# Allegro board BRD_05101_01_rev_b01_aa.brd (continued)
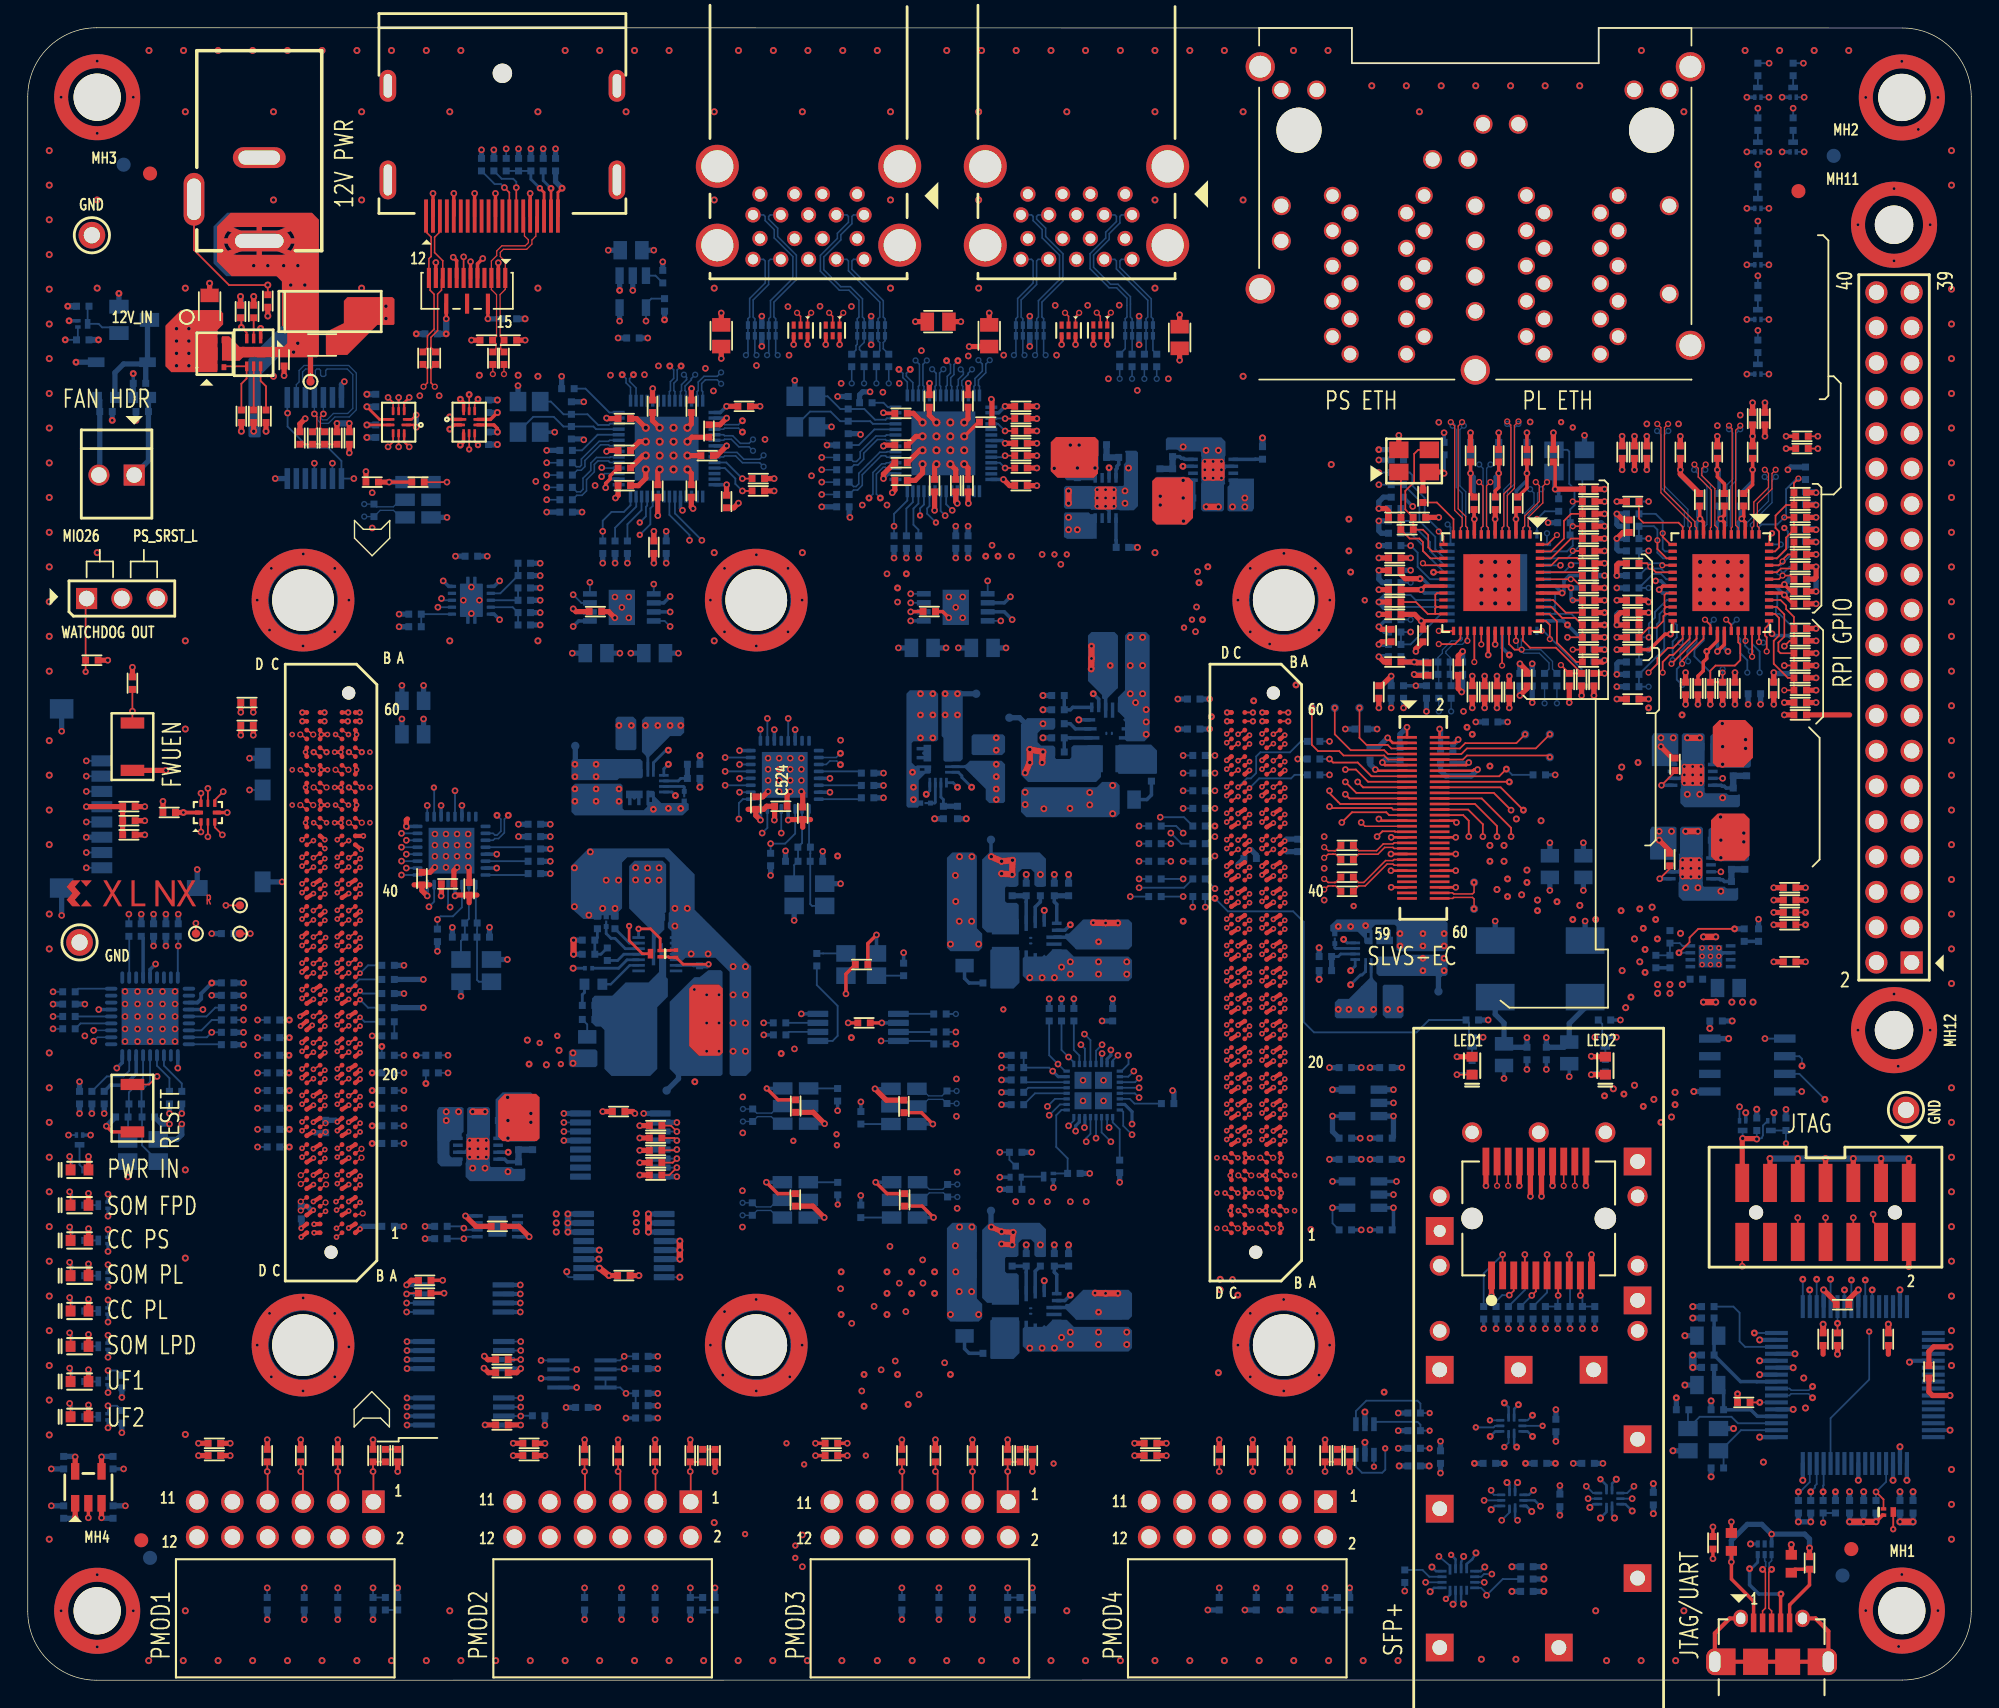
[diagram p0: board, top side]
## Footprints (pads in the part's own frame, mm; a bottom-side part is the same pattern mirrored in y, then rotated) (continued)
  rect 0.4x0.55 smd: 3(0,-0.385) 8(0,0.385)
DRY_6_SON
  rect 0.3x0.52 smd: 1(-0.5,-0.385) 2(0,-0.385) 3(0.5,-0.385) 4(0.5,0.385) 5(0,0.385) 6(-0.5,0.385)
HDR_1X2_LOCK_MOLEX
  rect 1.524x1.524 hole 1.118: 1(0,0)
  round 1.524 hole 1.118: 2(2.54,0)
HDR_1X3
  rect 1.524x1.524 hole 1.118: 1(0,0)
  round 1.524 hole 1.118: 2(2.54,0) 3(5.08,0)
HDR_2X20
  rect 1.6x1.6 hole 1.092: 1(0,0)
  round 1.6 hole 1.092: 2(0,2.54) 3(2.54,0) 4(2.54,2.54) 5(5.08,0) 6(5.08,2.54) 7(7.62,0) 8(7.62,2.54) 9(10.16,0) 10(10.16,2.54) 11(12.7,0) 12(12.7,2.54) 13(15.24,0) 14(15.24,2.54) 15(17.78,0) 16(17.78,2.54) 17(20.32,0) 18(20.32,2.54) 19(22.86,0) 20(22.86,2.54) 21(25.4,0) 22(25.4,2.54) 23(27.94,0) 24(27.94,2.54) 25(30.48,0) 26(30.48,2.54) 27(33.02,0) 28(33.02,2.54) 29(35.56,0) 30(35.56,2.54) 31(38.1,0) 32(38.1,2.54) 33(40.64,0) 34(40.64,2.54) 35(43.18,0) 36(43.18,2.54) 37(45.72,0) 38(45.72,2.54) 39(48.26,0) 40(48.26,2.54)
HDR_F2X6_PMOD
  rect 1.626x1.626 hole 1.118: 1(6.35,2.54)
  round 1.626 hole 1.118: 2(6.35,0) 3(3.81,2.54) 4(3.81,0) 5(1.27,2.54) 6(1.27,0) 7(-1.27,2.54) 8(-1.27,0) 9(-3.81,2.54) 10(-3.81,0) 11(-6.35,2.54) 12(-6.35,0)
IND_COIL_XEL5030
  rect 1.18x4.7 smd: 1(-1.655,0) 2(1.655,0)
IND_IHLP2020BZ_ER
  rect 1.915x2.79 smd: 1(-2.037,0) 2(2.037,0)
INDC160X80X95
  rect 0.71x0.81 smd: 1(-0.645,0) 2(0.645,0)
INDC200X125X110
  rect 0.98x1.32 smd: 1(-0.78,0) 2(0.78,0)
LED_0603
  rect 0.71x0.81 smd: 1(-0.645,0) 2(0.645,0)
LQFP_64
  rect 1.65x0.3 smd: 1(-5.65,3.75) 2(-5.65,3.25) 3(-5.65,2.75) 4(-5.65,2.25) 5(-5.65,1.75) 6(-5.65,1.25) 7(-5.65,0.75) 8(-5.65,0.25) 9(-5.65,-0.25) 10(-5.65,-0.75) 11(-5.65,-1.25) 12(-5.65,-1.75) 13(-5.65,-2.25) 14(-5.65,-2.75) 15(-5.65,-3.25) 16(-5.65,-3.75) 33(5.65,-3.75) 34(5.65,-3.25) 35(5.65,-2.75) 36(5.65,-2.25) 37(5.65,-1.75) 38(5.65,-1.25) 39(5.65,-0.75) 40(5.65,-0.25) 41(5.65,0.25) 42(5.65,0.75) 43(5.65,1.25) 44(5.65,1.75) 45(5.65,2.25) 46(5.65,2.75) 47(5.65,3.25) 48(5.65,3.75)
  rect 0.3x1.65 smd: 17(-3.75,-5.65) 18(-3.25,-5.65) 19(-2.75,-5.65) 20(-2.25,-5.65) 21(-1.75,-5.65) 22(-1.25,-5.65) 23(-0.75,-5.65) 24(-0.25,-5.65) 25(0.25,-5.65) 26(0.75,-5.65) 27(1.25,-5.65) 28(1.75,-5.65) 29(2.25,-5.65) 30(2.75,-5.65) 31(3.25,-5.65) 32(3.75,-5.65) 49(3.75,5.65) 50(3.25,5.65) 51(2.75,5.65) 52(2.25,5.65) 53(1.75,5.65) 54(1.25,5.65) 55(0.75,5.65) 56(0.25,5.65) 57(-0.25,5.65) 58(-0.75,5.65) 59(-1.25,5.65) 60(-1.75,5.65) 61(-2.25,5.65) 62(-2.75,5.65) 63(-3.25,5.65) 64(-3.75,5.65)
MH_NP_C275
  round 2.769 hole 2.769 unplated: (0,0)
  round 0.43 smd: 1(0.3,-2.6)
MH_NP_M3_SO_600
  round 3.4 hole 3.404 unplated: (0,0)
  round 0.43 smd: 1(0.3,-2.6)
MSOP8E65P490X110
  rect 1x0.4 smd: 1(-2.3,0.975) 2(-2.3,0.325) 3(-2.3,-0.325) 4(-2.3,-0.975) 5(2.3,-0.975) 6(2.3,-0.325) 7(2.3,0.325) 8(2.3,0.975)
  rect 1.9x2.54 smd: 9(0,0)
OSC_330X260X120_4_RAL
  rect 1.4x1.2 smd: 1(-1.1,-0.8) 2(1.1,-0.8) 3(1.1,0.8) 4(-1.1,0.8)
OSC_RAL_500X320X154
  rect 0.89x1.41 smd: 1(-1.27,-0.935) 2(0,-0.935) 3(1.27,-0.935) 4(1.27,0.935) 5(0,0.935) 6(-1.27,0.935)
PQFN10_MP5016HGQH
  custom 0.9x0.75 smd: 1-2(-0.4,0) 6-7(0.4,0)
  rect 0.25x0.7 smd: 3(-0.5,-0.975) 4(0,-0.975) 5(0.5,-0.975) 8(0.5,1.025) 9(0,1.025) 10(-0.5,1.025)
PQFN20_MPS_MPM3840GQV
  rrect 0.8x0.25 smd: 1(-1.4,1.55)
  rect 0.9x0.25 smd: 2(-1.35,0.9) 11(1.35,0.9)
  rect 1.1x0.25 smd: 3(-1.25,0.25) 10(1.25,0.25)
  custom 1.1x1.95 smd: 4-6(-1,-1.25) 7-9(1,-1.25)
  rect 0.8x0.25 smd: 12(1.4,1.55)
  rect 0.25x0.7 smd: 13(1.25,2.45) 14(0.75,2.45) 17(-0.75,2.45) 18(-1.25,2.45)
  rect 0.25x1.1 smd: 15(0.25,2.25) 16(-0.25,2.25)
  oval 0.15x0.25 smd: 19(0.2,0.575) 20(-0.2,0.575)
PQFN_65P210X2110X100-8
  rect 0.43x0.35 smd: 1(-0.965,0.65) 2(-0.965,0) 3(-0.965,-0.65) 4(0.965,-0.65) 5(0.965,0) 6(0.965,0.65)
  rrect 1.2x1 smd: 7(0,0.305)
  rect 0.912x0.357 smd: 8(0.005,-0.785)
QFN05P500X500X100_32P_330EP
  rrect 0.72x0.26 smd: 1(-2.451,1.75) 2(-2.451,1.25) 3(-2.451,0.75) 4(-2.451,0.25) 5(-2.451,-0.25) 6(-2.451,-0.75) 7(-2.451,-1.25) 8(-2.451,-1.75) 17(2.451,-1.75) 18(2.451,-1.25) 19(2.451,-0.75) 20(2.451,-0.25) 21(2.451,0.25) 22(2.451,0.75) 23(2.451,1.25) 24(2.451,1.75)
  rrect 0.26x0.72 smd: 9(-1.75,-2.451) 10(-1.25,-2.451) 11(-0.75,-2.451) 12(-0.25,-2.451) 13(0.25,-2.451) 14(0.75,-2.451) 15(1.25,-2.451) 16(1.75,-2.451) 25(1.75,2.451) 26(1.25,2.451) 27(0.75,2.451) 28(0.25,2.451) 29(-0.25,2.451) 30(-0.75,2.451) 31(-1.25,2.451) 32(-1.75,2.451)
  rect 3.3x3.3 smd: 33(0,0)
QFN05P600X600X85-36_410
  oval 0.9x0.28 smd: 1(-2.8,2) 2(-2.8,1.5) 3(-2.8,1) 4(-2.8,0.5) 5(-2.8,0) 6(-2.8,-0.5) 7(-2.8,-1) 8(-2.8,-1.5) 9(-2.8,-2) 19(2.8,-2) 20(2.8,-1.5) 21(2.8,-1) 22(2.8,-0.5) 23(2.8,0) 24(2.8,0.5) 25(2.8,1) 26(2.8,1.5) 27(2.8,2)
  oval 0.28x0.9 smd: 10(-2,-2.8) 11(-1.5,-2.8) 12(-1,-2.8) 13(-0.5,-2.8) 14(0,-2.8) 15(0.5,-2.8) 16(1,-2.8) 17(1.5,-2.8) 18(2,-2.8) 28(2,2.8) 29(1.5,2.8) 30(1,2.8) 31(0.5,2.8) 32(0,2.8) 33(-0.5,2.8) 34(-1,2.8) 35(-1.5,2.8) 36(-2,2.8)
  rect 4.1x4.1 smd: 37(0,0)
QFN12_MPM3805A
  rrect 1.05x0.2 smd: 1(-1.025,0.7)
  rect 1.05x0.2 smd: 2(-1.025,0.3) 7(1.025,0.3) 8(1.025,0.7)
  custom 1.05x1.2 smd: 3-4(-1.025,-0.675) 5-6(1.025,-0.675)
  rect 0.2x0.7 smd: 9(0.6,1.45) 10(0.2,1.45) 11(-0.2,1.45) 12(-0.6,1.45)
QFN40P140X180X55-10
  rrect 0.7x0.2 smd: 1(-0.55,0.2)
  rrect 0.6x0.2 smd: 2(-0.6,-0.2) 6(0.6,-0.2) 7(0.6,0.2)
  rrect 0.2x0.6 smd: 3(-0.4,-0.8) 4(0,-0.8) 5(0.4,-0.8) 8(0.4,0.8) 9(0,0.8) 10(-0.4,0.8)
QFN40P300X300X100-16_MP8772
  rect 0.9x0.2 smd: 1(-1.35,1.2) 2(-1.35,0.8) 3(-1.35,0.4) 4(-1.35,0) 5(-1.35,-0.4) 6(-1.35,-0.8) 7(-1.35,-1.2) 9(1.35,-1.2) 10(1.35,-0.8) 11(1.35,-0.4) 12(1.35,0) 13(1.35,0.4) 14(1.35,0.8) 15(1.35,1.2)
  rect 0.25x2.6 smd: 8(-0.275,-0.5) 16(0.275,0.5)
QFN_MP8904DD_8
  rect 0.7x0.25 smd: 1(-1.45,0.75) 2(-1.45,0.25) 3(-1.45,-0.25) 4(-1.45,-0.75) 5(1.45,-0.75) 6(1.45,-0.25) 7(1.45,0.25) 8(1.45,0.75)
  rect 1.7x1.6 smd: 9(0,0)
QFN_RSV_16
  rect 0.75x0.2 smd: 1(-0.725,0.6)
  rect 0.65x0.2 smd: 2(-0.775,0.2) 3(-0.775,-0.2) 4(-0.775,-0.6) 9(0.775,-0.6) 10(0.775,-0.2) 11(0.775,0.2) 12(0.775,0.6)
  rect 0.2x0.65 smd: 5(-0.6,-1.175) 6(-0.2,-1.175) 7(0.2,-1.175) 8(0.6,-1.175) 13(0.6,1.175) 14(0.2,1.175) 15(-0.2,1.175) 16(-0.6,1.175)
RESC60X30X26
  rect 0.275x0.33 smd: 1(-0.262,0) 2(0.262,0)
RESC100X50X40
  rect 0.5x0.51 smd: 1(-0.45,0) 2(0.45,0)
RESC160X80X65
  rect 0.71x0.81 smd: 1(-0.645,0) 2(0.645,0)
RESC200X125X75
  rect 0.98x1.32 smd: 1(-0.78,0) 2(0.78,0)
SC70_6
  rect 1x0.4 smd: 1(-1.1,0.65) 2(-1.1,0) 3(-1.1,-0.65) 4(1.1,-0.65) 5(1.1,0) 6(1.1,0.65)
SOD_123
  rect 1.2x0.7 smd: 1(-1.85,0) 2(1.85,0)
SOIC8P127W390
  rect 1.55x0.6 smd: 1(-2.7,1.905) 2(-2.7,0.635) 3(-2.7,-0.635) 4(-2.7,-1.905) 5(2.7,-1.905) 6(2.7,-0.635) 7(2.7,0.635) 8(2.7,1.905)
SON_15P
  rect 0.3x1.45 smd: 1(-2.75,-0.925) 2(-2.25,-0.925) 3(-1.75,-0.925) 4(-1.25,-0.925) 5(-0.75,-0.925) 6(-0.25,-0.925) 7(0.25,-0.925) 8(0.75,-0.925) 9(1.25,-0.925) 10(1.75,-0.925) 11(2.25,-0.925) 12(2.75,-0.925) 13(1.5,0.925) 14(0,0.925) 15(-1.5,0.925)
SOP65P640X120-16
  rrect 1.5x0.45 smd: 1(-2.875,2.275) 2(-2.875,1.625) 3(-2.875,0.975) 4(-2.875,0.325) 5(-2.875,-0.325) 6(-2.875,-0.975) 7(-2.875,-1.625) 8(-2.875,-2.275) 9(2.875,-2.275) 10(2.875,-1.625) 11(2.875,-0.975) 12(2.875,-0.325) 13(2.875,0.325) 14(2.875,0.975) 15(2.875,1.625) 16(2.875,2.275)
SOT95P280X145_5
  rect 0.6x1.2 smd: 1(-0.95,-1.15) 2(0,-1.15) 3(0.95,-1.15) 4(0.95,1.15) 5(-0.95,1.15)
SOT_23
  rect 1x1.4 smd: 1(-0.95,-1.1) 2(0.95,-1.1) 3(0,1.1)
SOT_723
  rect 0.37x0.5 smd: 1(-0.4,-0.4) 2(0.4,-0.4)
  rect 0.47x0.5 smd: 3(0,0.4)
STQFN04P400X400X60_32_270
  rect 0.46x0.23 smd: 1(-1.915,1.4) 2(-1.915,1) 3(-1.915,0.6) 4(-1.915,0.2) 5(-1.915,-0.2) 6(-1.915,-0.6) 7(-1.915,-1) 8(-1.915,-1.4) 17(1.915,-1.4) 18(1.915,-1) 19(1.915,-0.6) 20(1.915,-0.2) 21(1.915,0.2) 22(1.915,0.6) 23(1.915,1) 24(1.915,1.4)
  rect 0.23x0.46 smd: 9(-1.4,-1.915) 10(-1,-1.915) 11(-0.6,-1.915) 12(-0.2,-1.915) 13(0.2,-1.915) 14(0.6,-1.915) 15(1,-1.915) 16(1.4,-1.915) 25(1.4,1.915) 26(1,1.915) 27(0.6,1.915) 28(0.2,1.915) 29(-0.2,1.915) 30(-0.6,1.915) 31(-1,1.915) 32(-1.4,1.915)
  rect 1.225x1.225 smd: 33(-0.737,0.737) 34(0.737,0.737) 35(-0.737,-0.737) 36(0.737,-0.737)
SW_OMRON_2P
  rect 0.81x1.7 smd: 1(-1.706,0) 2(1.706,0)
TP_KEY_MINI
  round 1.93 hole 1.168: 1(0,0)
TP_PAD
  round 0.6 smd: 1(0,0)
TSSOP8_65P440X300MM
  rect 1.55x0.38 smd: 1(-2.875,0.975) 2(-2.875,0.325) 3(-2.875,-0.325) 4(-2.875,-0.975) 5(2.875,-0.975) 6(2.875,-0.325) 7(2.875,0.325) 8(2.875,0.975)
TSSOP8_65P450X310X120
  rrect 1.5x0.45 smd: 1(-2.9,0.975) 2(-2.9,0.325) 3(-2.9,-0.325) 4(-2.9,-0.975) 5(2.9,-0.975) 6(2.9,-0.325) 7(2.9,0.325) 8(2.9,0.975)
TSSOP065P620X120_16
  rrect 1.5x0.45 smd: 1(-2.9,2.275) 2(-2.9,1.625) 3(-2.9,0.975) 4(-2.9,0.325) 5(-2.9,-0.325) 6(-2.9,-0.975) 7(-2.9,-1.625) 8(-2.9,-2.275) 9(2.9,-2.275) 10(2.9,-1.625) 11(2.9,-0.975) 12(2.9,-0.325) 13(2.9,0.325) 14(2.9,0.975) 15(2.9,1.625) 16(2.9,2.275)
TSSOP_14
  rect 1.5x0.4 smd: 1(-2.92,1.95) 2(-2.92,1.3) 3(-2.92,0.65) 4(-2.92,0) 5(-2.92,-0.65) 6(-2.92,-1.3) 7(-2.92,-1.95) 8(2.92,-1.95) 9(2.92,-1.3) 10(2.92,-0.65) 11(2.92,0) 12(2.92,0.65) 13(2.92,1.3) 14(2.92,1.95)
UDFN05P200X300X55-8_150X130
  rect 1.5x1.3 smd: (0,0)
  rect 0.25x0.8 smd: 1(-0.75,-1.45) 2(-0.25,-1.45) 3(0.25,-1.45) 4(0.75,-1.45) 5(0.75,1.45) 6(0.25,1.45) 7(-0.25,1.45) 8(-0.75,1.45)
unnamed#2
  round 1.016 smd: (0,0)
UQFN_8
  rrect 0.55x0.25 smd: 1(-0.675,0.5) 3(-0.675,-0.5) 5(0.675,-0.5) 7(0.675,0.5)
  rrect 0.55x0.2 smd: 2(-0.675,0) 6(0.675,0)
  rrect 0.3x0.6 smd: 4(0,-0.65) 8(0,0.65)
VQFN05P700X700X100_48_408EP
  rect 0.6x0.24 smd: 1(-3.475,2.751) 2(-3.475,2.25) 3(-3.475,1.75) 4(-3.475,1.25) 5(-3.475,0.749) 6(-3.475,0.249) 7(-3.475,-0.249) 8(-3.475,-0.749) 9(-3.475,-1.25) 10(-3.475,-1.75) 11(-3.475,-2.25) 12(-3.475,-2.751) 25(3.475,-2.751) 26(3.475,-2.25) 27(3.475,-1.75) 28(3.475,-1.25) 29(3.475,-0.749) 30(3.475,-0.249) 31(3.475,0.249) 32(3.475,0.749) 33(3.475,1.25) 34(3.475,1.75) 35(3.475,2.25) 36(3.475,2.751)
  rect 0.24x0.6 smd: 13(-2.751,-3.475) 14(-2.25,-3.475) 15(-1.75,-3.475) 16(-1.25,-3.475) 17(-0.749,-3.475) 18(-0.249,-3.475) 19(0.249,-3.475) 20(0.749,-3.475) 21(1.25,-3.475) 22(1.75,-3.475) 23(2.25,-3.475) 24(2.751,-3.475) 37(2.751,3.475) 38(2.25,3.475) 39(1.75,3.475) 40(1.25,3.475) 41(0.749,3.475) 42(0.249,3.475) 43(-0.249,3.475) 44(-0.749,3.475) 45(-1.25,3.475) 46(-1.75,3.475) 47(-2.25,3.475) 48(-2.751,3.475)
  rect 4.1x4.1 smd: 49(0,0)
VQFN40P700X700X100-56_460EP
  rect 0.86x0.25 smd: 1(-3.45,2.6) 2(-3.45,2.2) 3(-3.45,1.8) 4(-3.45,1.4) 5(-3.45,1) 6(-3.45,0.6) 7(-3.45,0.2) 8(-3.45,-0.2) 9(-3.45,-0.6) 10(-3.45,-1) 11(-3.45,-1.4) 12(-3.45,-1.8) 13(-3.45,-2.2) 14(-3.45,-2.6) 29(3.45,-2.6) 30(3.45,-2.2) 31(3.45,-1.8) 32(3.45,-1.4) 33(3.45,-1) 34(3.45,-0.6) 35(3.45,-0.2) 36(3.45,0.2) 37(3.45,0.6) 38(3.45,1) 39(3.45,1.4) 40(3.45,1.8) 41(3.45,2.2) 42(3.45,2.6)
  rect 0.25x0.86 smd: 15(-2.6,-3.45) 16(-2.2,-3.45) 17(-1.8,-3.45) 18(-1.4,-3.45) 19(-1,-3.45) 20(-0.6,-3.45) 21(-0.2,-3.45) 22(0.2,-3.45) 23(0.6,-3.45) 24(1,-3.45) 25(1.4,-3.45) 26(1.8,-3.45) 27(2.2,-3.45) 28(2.6,-3.45) 43(2.6,3.45) 44(2.2,3.45) 45(1.8,3.45) 46(1.4,3.45) 47(1,3.45) 48(0.6,3.45) 49(0.2,3.45) 50(-0.2,3.45) 51(-0.6,3.45) 52(-1,3.45) 53(-1.4,3.45) 54(-1.8,3.45) 55(-2.2,3.45) 56(-2.6,3.45)
  rect 4.6x4.6 smd: 57(0,0)
VSON-CLIP11_3X3MM
  rrect 0.6x0.24 smd: 1(-1.4,1) 2(-1.4,0.5) 3(-1.4,0) 4(-1.4,-0.5) 5(-1.4,-1) 6(1.4,-1) 7(1.4,-0.5) 8(1.4,0) 9(1.4,0.5) 10(1.4,1)
  custom 1.65x3.4 smd: 11(0,0)
XTAL_320X250X71
  rect 1.4x1.1 smd: 1(-1.1,-0.8) 2(1.1,-0.8) 3(1.1,0.8) 4(-1.1,0.8)
XTAL_EPSON_FA238
  rect 1.4x1.2 smd: 1(-1.1,-0.8) 2(1.1,-0.8) 3(1.1,0.8) 4(-1.1,0.8)

## Nets
5V0_IN: C3.1 C4.1 C6.1 C10.1 C11.1 C20.1 C26.1 C32.1 C33.1 C34.1 C35.1 C39.1 C43.1 C75.1 C273.1 C311.1 C312.1 C313.1 C314.1 C317.1 C318.1 C381.1 C382.1 C428.1 C532.1 L1.2 R4.1 R7.1 R12.1 R28.1 R30.1 R209.1 R289.1 R329.1 R430.1 TP5.1(TP) U1.15(VIN) U2.15(VIN) U3.7(VIN) U4.7(VIN) U5.7(VIN) U7.5 U7.8 U14.1 U14.2 U14.3 U14.12 U19.15(VDD2) U19.31 U37.21 U45.2 U47.2 U72.15(VIN) U73.5 U83.21
5V0_IN_EN: R34.2 U6.3
5V0_IN_FB: R32.1 U6.4
5V0_IN_SS: C40.1 U6.6
5V0_IN_SW: C37.2 C319.1 L1.1 U6.16
5V0_IN_VCC: C38.1 Q21.1 R265.1 U6.14
12V_FAN_GND: C209.1 J13.2(P2) L9.1
12V_FAN_PWR: C210.1 J13.1 L8.1
12V_IN: C30.1 C31.1 C36.1 C203.1 C208.1 D2.1(CATHODE) L8.2 Q5.1 Q5.2 Q5.5 Q5.6 Q5.7 R34.1 TP3.1(TP) U6.8(VIN)
12V_IN_JACK: C204.1 C205.1 D1.1(CATHODE) J12.1 R133.1 TP1.1(TP) U41.1-2(VCC)
12V_IN_SOURCE: Q5.4 Q5.8(SPAD) U41.6-7
AGND1: U6.5 Z1.2(NET2)
AGND2: U3.11 Z4.2(NET2)
AGND3: U5.11 Z5.2(NET2)
AGND4: U4.11 Z2.2(NET2)
GND: C1.2 C2.2 C3.2 C4.2 C6.2 C7.2 C8.2 C10.2 C11.2 C12.2 C15.2 C16.2 C17.2 C18.2 C19.2 C20.2 C22.2 C23.2 C24.2 C25.2 C26.2 C28.2 C29.2 C30.2 C31.2 C32.2 C33.2 C34.2 C35.2 C36.2 C38.2 C40.2 C42.2 C43.2 C45.2 C48.2 C49.2 C50.2 C51.2 C52.2 C53.2 C64.2 C73.2 C74.2 C75.2 C78.2 C79.2 C80.2 C81.2 C82.2 C83.2 C84.2 C85.2 C86.2 C87.2 C89.2 C90.2 C91.2 C92.2 C93.2 C94.2 C95.2 C96.2 C97.2 C98.2 C99.2 C100.2 C101.2 C102.2 C103.2 C104.2 C105.2 C108.2 C109.2 C110.2 C114.2 C115.2 C144.2 C145.2 C146.2 C147.2 C148.2 C149.2 C150.2 C151.2 C152.2 C153.2 C154.2 C155.2 C156.2 C157.2 C158.2 C159.2 C160.2 C161.2 C162.2 C163.2 C164.2 C165.2 C166.2 C167.2 C175.2 C176.2 C203.2 C204.2 C205.2 C206.2 C207.2 C209.2 C210.2 C234.2 C235.2 C236.2 C237.2 C238.2 C265.2 C266.2 C269.2 C270.2 C272.2 C273.2 C274.2 C275.2 C276.2 C277.2 C278.1 C283.2 C284.2 C285.2 C286.2 C289.2 C290.2 C291.2 C292.2 C293.2 C294.2 C295.2 C296.2 C297.2 C298.2 C299.2 C300.2 C303.2 C304.2 C311.2 C312.2 C313.2 C314.2 C317.2 C318.2 C323.2 C324.2 C329.2 C344.2 C353.2 C354.2 C355.2 C356.2 C365.2 C366.2 C369.2 C370.2 C371.2 C372.2 C373.2 C374.2 C375.2 C376.2 C377.2 C378.2 C379.2 C380.2 C381.2 C382.2 C384.2 C385.2 C387.2 C388.2 C389.2 C390.2 C391.2 C392.2 C393.2 C394.2 C395.2 C396.2 C397.2 C398.2 C399.2 C400.2 C401.2 C402.2 C403.2 C404.2 C405.2 C406.2 C407.2 C408.2 C409.2 C410.2 C411.2 C412.2 C413.2 C414.2 C415.2 C416.2 C417.2 C418.2 C419.2 C420.2 C421.2 C422.2 C423.2 C424.2 C425.2 C426.2 C427.2 C428.2 C429.2 C430.2 C431.2 C432.2 C433.2 C434.2 C435.2 C436.2 C437.2 C439.2 C440.2 C441.2 C442.2 C443.2 C444.2 C445.2 C446.2 C447.2 C448.2 C449.2 C450.2 C451.2 C452.2 C453.2 C454.2 C455.2 C456.2 C457.2 C458.2 C459.2 C460.2 C461.2 C462.2 C463.2 C464.2 C465.2 C466.2 C467.2 C468.2 C469.2 C470.2 C471.2 C472.2 C473.2 C474.2 C475.2 C476.2 C477.2 C478.2 C479.2 C480.2 C481.2 C482.2 C483.2 C484.2 C485.2 C486.2 C487.2 C488.2 C489.2 C490.2 C491.2 C492.2 C493.2 C494.2 C495.2 C496.2 C497.2 C498.2 C499.2 C500.2 C501.2 C502.2 C503.2 C504.2 C505.2 C506.2 C507.2 C508.2 C509.2 C510.2 C513.2 C514.2 C515.2 C516.2 C517.2 C518.2 C519.2 C520.2 C521.2 C522.2 C523.2 C524.2 C525.2 C526.2 C527.2 C528.2 C529.2 C530.2 C531.2 C532.2 C533.1 C538.2 C539.2 C540.2 C541.2 C542.2 C543.2 C548.2 C553.2 C554.2 C555.2 C556.2 C557.2 C558.2 C559.2 C560.2 C561.2 C562.2 C563.2 C564.2 C565.2 C566.2 C567.2 C568.2 C569.2 C570.2 C571.2 C572.2 C573.2 C574.2 C575.2 C576.2 C577.2 C578.2 C581.2 C582.2 C583.2 C584.2 C585.2 C586.2 C587.2 C588.2 C589.2 C590.2 C591.2 C592.2 D1.2 J2.9(P9) J2.10 J3.1 J3.3 J3.5 J3.7 J3.9(P9) J3.11 J4.6 J4.7 J4.8 J4.9 J4.10 J4.11 J6.2 J6.5 J6.8 J6.11 J6.16 J6.21 J6.22 J6.23 J6.24(SHLD#24) J10.A10 J10.B10 J10.C10 J10.D10 J10.SH1 J10.SH2 J10.SH3 J10.SH4 J10.SH5(SHIELD_5) J11.6(VSS) J11.9 J11.10 J11.11 J11.12 J11.14 J12.2 J15.1(P1) J16.1(P1) J17.1(P1) J18.9(P9) J18.10 J19.9(P9) J19.10 J20.9(P9) J20.10 J21.6 J21.9(P9) J21.14 J21.20 J21.25 J21.30 J21.34 J21.39 J22.11 J22.12 J22.13 J22.14 J22.31 J22.32 J22.37 J22.38 J22.43 J22.44 J22.49 J22.50 J22.55 J22.56 J23.1 J23.10 J23.11 J23.14 J23.17 J23.20(VEET_3) J24.1 J24.2 J24.3 J24.4 J24.5 J24.6 J24.7 J24.8 J24.9(GND9) J24.10 J24.11 J24.12 J24.13 J24.14 J24.15 J24.16 J24.17 J24.18 J24.19 J24.20 JA1.A2 JA1.A5 JA1.A8 JA1.A11 JA1.A14 JA1.A18 JA1.A21 JA1.A26 JA1.A33 JA1.A37 JA1.A41 JA1.A45 JA1.A46 JA1.A49 JA1.A50 JA1.A53 JA1.A54 JA1.A57 JA1.A58 JA1.B3 JA1.B6 JA1.B9 JA1.B12 JA1.B15 JA1.B19 JA1.B23 JA1.B27 JA1.B31 JA1.B35 JA1.B39 JA1.B43 JA1.B47 JA1.B48 JA1.B51 JA1.B52 JA1.B55 JA1.B56 JA1.B59 JA1.C1 JA1.C2 JA1.C5 JA1.C8 JA1.C11 JA1.C14 JA1.C17 JA1.C21 JA1.C25 JA1.C29 JA1.C33 JA1.C37 JA1.C41 JA1.C46 JA1.C49 JA1.C50 JA1.C53 JA1.C54 JA1.C57 JA1.C58 JA1.D3 JA1.D6 JA1.D9 JA1.D12 JA1.D15 JA1.D19 JA1.D23 JA1.D27 JA1.D31 JA1.D35 JA1.D39 JA1.D43 JA1.D47 JA1.D48 JA1.D51 JA1.D52 JA1.D55 JA1.D56 JA1.D59 JA2.A1 JA2.A2 JA2.A5 JA2.A6 JA2.A9 JA2.A10 JA2.A13 JA2.A16 JA2.A19 JA2.A22 JA2.A25 JA2.A28 JA2.A31 JA2.A34 JA2.A37 JA2.A40 JA2.A43 JA2.A45 JA2.A49 JA2.A53 JA2.A57 JA2.B3 JA2.B4 JA2.B7 JA2.B8 JA2.B11 JA2.B14 JA2.B17 JA2.B20 JA2.B23 JA2.B26 JA2.B29 JA2.B32 JA2.B35 JA2.B38 JA2.B41 JA2.B43 JA2.B47 JA2.B51 JA2.B55 JA2.C1 JA2.C2 JA2.C5 JA2.C6 JA2.C9 JA2.C10 JA2.C13 JA2.C16 JA2.C19 JA2.C22 JA2.C25 JA2.C28 JA2.C31 JA2.C34 JA2.C37 JA2.C40 JA2.C43 JA2.C45 JA2.C49 JA2.C53 JA2.C57 JA2.D3 JA2.D4 JA2.D7 JA2.D8 JA2.D11 JA2.D14 JA2.D17 JA2.D20 JA2.D23 JA2.D26 JA2.D29 JA2.D32 JA2.D35 JA2.D38 JA2.D41 JA2.D43 JA2.D47 JA2.D51 JA2.D55 L5.1 MH1.1 MH2.1 MH3.1 MH4.1 MH5.1(GND) MH6.1(GND) MH7.1(GND) MH8.1(GND) MH9.1(GND) MH10.1(GND) MH11.1 MH12.1 Q3.2(SOURCE) Q4.2(SOURCE) Q6.2(SOURCE) Q7.2(SOURCE) Q8.2(SOURCE) Q9.2(SOURCE) Q10.2(SOURCE) Q12.2(SOURCE) Q13.2(SOURCE) Q17.2(SOURCE) Q18.2(SOURCE) Q19.2(SOURCE) Q20.2(SOURCE) Q22.2(SOURCE) Q23.2(SOURCE) Q25.2(SOURCE) Q26.2(SOURCE) Q27.2(SOURCE) Q28.2(SOURCE) Q29.2(SOURCE) Q30.2(SOURCE) Q31.2(SOURCE) Q32.2(SOURCE) Q34.2(SOURCE) R2.2 R5.2 R15.2 R16.2 R17.2 R20.2 R23.2 R26.2 R29.2 R31.2 R38.2 R41.2 R42.2 R43.2 R44.2 R50.2 R51.2 R79.1 R116.2 R117.2 R118.2 R119.2 R120.2 R121.2 R122.2 R126.2 R134.2 R135.2 R162.2 R163.2 R164.2 R165.2 R167.2 R171.2 R174.2 R200.2 R202.2 R203.2 R206.2 R213.2 R219.2 R221.2 R222.2 R223.2 R224.2 R225.2 R241.2 R261.2 R262.2 R263.2 R291.2 R292.2 R293.2 R328.2 R332.2 R343.1 R344.1 R349.2 R364.2 R365.2 R366.2 R367.2 R368.2 R369.2 R372.2 R377.2 R389.2 R390.2 R391.2 R392.2 R393.2 R394.2 R396.2 R402.2 R417.2 R418.2 R419.2 R420.2 R421.2 R422.2 R423.2 R424.2 R427.2 R428.2 R432.2 R438.2 R439.2 R440.2 R441.2 R458.2 R462.2 R465.2 R473.2 R474.2 R475.2 R476.2 R487.2 R489.2 SW1.1 SW2.1 U1.1 U1.2 U1.3 U1.17 U1.18 U2.1 U2.2 U2.3 U2.17 U2.18 U3.1 U3.2 U4.1 U4.2 U5.1 U5.2 U6.9 U6.10 U6.11 U6.12 U6.13 U7.6 U7.9 U8.6 U8.9 U9.6 U9.9 U10.6 U10.9 U11.6 U11.9 U12.6 U12.9 U13.5 U13.11 U14.4 U14.5 U14.6 U14.11 U15.2 U15.3 U15.4 U16.1 U18.1 U18.2 U18.8 U19.14 U19.30 U19.33 U19.34 U19.35 U19.36 U22.5 U22.10 U22.11 U22.16 U23.2 U24.1 U24.5 U24.10 U24.11 U24.13 U24.15 U24.25 U24.35 U24.47 U24.51 U25.1 U25.3 U26.5(VSS) U28.1 U28.2 U28.3 U29.7 U30.1 U30.2 U30.3 U33.2 U36.49 U37.23 U37.33 U38.28 U38.37 U41.3 U42.2 U43.57 U44.4 U44.7 U44.13 U44.16 U44.19 U44.20 U44.21 U44.22 U45.1 U45.9 U46.4 U46.7 U46.13 U46.16 U46.19 U46.20 U46.21 U46.22 U47.1 U47.9 U61.2 U61.5 U61.8 U61.11 U64.1 U64.2 U64.3 U66.3 U66.8 U67.3 U67.8 U68.3 U68.8 U69.3 U69.8 U71.3 U72.1 U72.2 U72.3 U72.17 U72.18 U73.2 U74.2 U75.4 U76.2 U76.3 U76.4 U79.49 U80.49 U81.49 U82.4 U83.23 U83.33 U84.57 U85.1 U85.3 U85.4 U86.3 U87.3 U88.3 U89.3 U90.3 U91.4 U92.2 X1.4 X2.2 X2.4 X5.4 X6.4 X7.4 X8.4 X9.2 X9.4 X10.2 X10.4 X11.2 X11.4 X12.2 X12.4 X13.2 X13.4 X14.2 X14.4 X15.2 X15.4 Z1.1 Z2.1 Z4.1 Z5.1
VCC_BATT: JA1.A1 R44.1
VCCOEN_PL_M2C: JA1.A20 U2.12 U4.9 U72.12
VCCOEN_PS_M2C: JA1.A19 U1.12 U3.9 U5.9
VCCR_SFP: C432.1 C433.1 J23.15 L10.2
VCCT_SFP: C434.1 C435.1 J23.16 L11.2
CC_PL_PGOOD: Q10.1 R28.2 U2.14 U4.8 U8.3(PG) U9.3(PG) U19.25 U72.14
CC_PS_PGOOD: Q8.1 R7.2 U1.14 U3.8 U5.8 U10.3(PG) U12.3(PG) U19.24
CC_PS_POR_B: R452.1 SW2.2(SW2)
CC_PS_POR_B_R: C548.1 R452.2 U19.23
D_CLK_0_N: J22.60 TP48.1(TP)
D_CLK_0_P: J22.58 TP47.1(TP)
DP_3V3: C266.1 C365.1 J6.20 U33.1(OUT) U61.6
DP_AUX_C_N: C112.2 J6.17 R205.2 U61.1
DP_AUX_C_P: C111.2 J6.15 R206.1 U61.3
DP_AUX_N: C112.1 R173.2 U29.9 U29.11
DP_AUX_P: C111.1 R172.2 U29.10 U29.12
DP_HPD_R: C366.1 J6.18 R174.1 R352.2 U61.7
DP_LN0_C_N: C118.2 J6.3 U61.10
DP_LN0_C_P: C117.2 J6.1 U61.12
DP_PWR_EN: R196.2 U33.4
DP_PWR_FAULT_B: R195.2 U33.3
EEPROM_WC_B: Q19.3 R256.1 U15.7(WC_B)
FB_UTIL_3V3: C41.2 R38.1 R39.2 U7.4
FTDI_3V3_FB: C44.2 R36.2 R41.1 U11.4
FTDI_3V3_PG: R40.2 U11.3(PG)
FTDI_EEPROM_WC: Q19.1 R262.1 U24.52
FTDI_LS_OE_B: Q13.1 R235.2 U24.22
FTDI_PS_POR_B: U24.23 U71.8
FTDI_PS_POR_B_LS: R266.2 U23.1 U71.5
FTDI_PS_SRST_B: U24.24 U71.9
FTDI_PS_SRST_B_LS: R267.2 U23.3 U71.4
FTDI_PWREN_B: R268.2 U24.60 U71.2
FTDI_TCK: U22.6 U24.16
FTDI_TDI: U22.7 U24.17
FTDI_TDO: U24.18 U25.9
FTDI_TMS: U24.19 U25.8
FTDI_UARTB_RXD: U24.27 U64.9
FTDI_UARTB_TXD: U24.26 U64.8
FWUEN_C2M_B: C236.1 JA1.C28 SW1.2(SW2)
GEM0_13_NC: U81.13
GEM0_48_NC: U81.48
GEM0_GPIO0: R406.2 R418.1 U81.39
GEM0_GPIO1: R405.2 R417.1 U81.40
GEM0_INT_PWDN: R404.2 U81.44
GEM0_JTAG: R414.2 U81.20 U81.22 U81.23
GEM0_LED0: Q32.1 R409.2 R421.1 U81.47
GEM0_LED0_CA: J10.D13 R425.2
GEM0_LED1: Q31.1 R408.2 R420.1 U81.46
GEM0_LED1_CA: J10.D12 R413.2
GEM0_LED2: R407.2 R419.1 U81.45
GEM0_RBIAS: R427.1 U81.12
GEM0_RX_CTRL: R410.2 R423.1 U81.38
GEM0_SGMII_CO_N_NC: U81.34
GEM0_SGMII_CO_P_NC: U81.33
GEM0_SGMII_SI_N: C550.2 U81.28
GEM0_SGMII_SI_P: C549.2 U81.27
GEM0_SGMII_SO_N: C551.2 R411.2 R424.1 U81.36
GEM0_SGMII_SO_P: C552.2 R412.2 R422.1 U81.35
GEM0_TD_A_N: J10.D1 U81.2
GEM0_TD_A_P: J10.D2 U81.1
GEM0_TD_B_N: J10.D3 U81.5
GEM0_TD_B_P: J10.D4 U81.4
GEM0_TD_C_N: J10.D5 U81.8
GEM0_TD_C_P: J10.D6 U81.7
GEM0_TD_D_N: J10.D7 U81.11
GEM0_TD_D_P: J10.D8 U81.10
GEM0_TX_D2_D3: R458.1 U81.25 U81.26
GEM0_XI: C554.1 R460.2 U81.15 X9.1
GEM0_XO: C553.1 R460.1 U81.14(XO) X9.3(X2)
GEM1_13_NC: U36.13
GEM1_48_NC: U36.48
GEM1_GPIO0: R105.2 R117.1 U36.39
GEM1_GPIO1: R104.2 R116.1 U36.40
GEM1_INT_PWDN: R102.2 U36.44
GEM1_JTAG: R113.2 U36.20 U36.22 U36.23
GEM1_LED0: Q4.1 R108.2 R120.1 U36.47
GEM1_LED0_CA: J10.C13 R127.2
GEM1_LED1: Q3.1 R107.2 R119.1 U36.46
GEM1_LED1_CA: J10.C12 R124.2
GEM1_LED2: R106.2 R118.1 U36.45
GEM1_RBIAS: R126.1 U36.12
GEM1_TD_A_N: J10.C1 U36.2
GEM1_TD_A_P: J10.C2 U36.1
GEM1_TD_B_N: J10.C3 U36.5
GEM1_TD_B_P: J10.C4 U36.4
GEM1_TD_C_N: J10.C5 U36.8
GEM1_TD_C_P: J10.C6 U36.7
GEM1_TD_D_N: J10.C7 U36.11
GEM1_TD_D_P: J10.C8 U36.10
GEM1_XI: C556.1 R461.2 U36.15 X10.1
GEM1_XO: C555.1 R461.1 U36.14(XO) X10.3(X2)
GEM2_13_NC: U79.13
GEM2_48_NC: U79.48
GEM2_GPIO0: R356.2 R365.1 U79.39
GEM2_GPIO1: R355.2 R364.1 U79.40
GEM2_INT_PWDN: R354.2 U79.44
GEM2_JTAG: R373.2 U79.20 U79.22 U79.23
GEM2_LED0_CA: J10.B13 R371.2
GEM2_LED1_CA: J10.B12 R363.2
GEM2_RBIAS: R377.1 U79.12
GEM2_TD_A_N: J10.B1 U79.2
GEM2_TD_A_P: J10.B2 U79.1
GEM2_TD_B_N: J10.B3 U79.5
GEM2_TD_B_P: J10.B4 U79.4
GEM2_TD_C_N: J10.B5 U79.8
GEM2_TD_C_P: J10.B6 U79.7
GEM2_TD_D_N: J10.B7 U79.11
GEM2_TD_D_P: J10.B8 U79.10
GEM2_XTAL_IN: R478.2 U79.15
GEM2_XTAL_IN_R: R478.1 U91.8
GEM3_13_NC: U80.13
GEM3_48_NC: U80.48
GEM3_GPIO0: R381.2 R390.1 U80.39
GEM3_GPIO1: R380.2 R389.1 U80.40
GEM3_INT_PWDN: R379.2 U80.44
GEM3_JTAG: R397.2 U80.20 U80.22 U80.23
GEM3_LED0_CA: J10.A13 R400.2
GEM3_LED1_CA: J10.A12 R388.2
GEM3_RBIAS: R402.1 U80.12
GEM3_TD_A_N: J10.A1 U80.2
GEM3_TD_A_P: J10.A2 U80.1
GEM3_TD_B_N: J10.A3 U80.5
GEM3_TD_B_P: J10.A4 U80.4
GEM3_TD_C_N: J10.A5 U80.8
GEM3_TD_C_P: J10.A6 U80.7
GEM3_TD_D_N: J10.A7 U80.11
GEM3_TD_D_P: J10.A8 U80.10
GEM3_XTAL_IN: R480.2 U80.15
GEM3_XTAL_IN_R: R480.1 U91.7(Y3)
GTH_DP0_C2M_C_N: C547.2 J22.41
GTH_DP0_C2M_C_P: C546.2 J22.39
GTH_DP0_C2M_N: C547.1 JA2.B10
GTH_DP0_C2M_P: C546.1 JA2.B9
GTH_DP0_M2C_N_NC: JA2.D10
GTH_DP0_M2C_P_NC: JA2.D9
GTH_DP1_C2M_C_N: C545.1 J22.47
GTH_DP1_C2M_C_P: C544.1 J22.45
GTH_DP1_C2M_N: C545.2 JA2.D2
GTH_DP1_C2M_P: C544.2 JA2.D1
GTH_DP1_M2C_N_NC: JA2.C8
GTH_DP1_M2C_P_NC: JA2.C7
GTH_DP2_C2M_N: J23.12 JA2.B2
GTH_DP2_C2M_P: J23.13 JA2.B1
GTH_DP2_M2C_N: J23.19 JA2.B6
GTH_DP2_M2C_P: J23.18 JA2.B5
GTH_DP3_C2M_N_NC: JA2.D6
GTH_DP3_C2M_P_NC: JA2.D5
GTH_DP3_M2C_N_NC: JA2.A4
GTH_DP3_M2C_P_NC: JA2.A3
GTH_REFCLK0_C2M_N: JA2.C4 R497.1 U90.5
GTH_REFCLK0_C2M_P: JA2.C3 R497.2 U90.4
GTH_REFCLK1_C2M_N: JA2.A8 R493.1 U88.5
GTH_REFCLK1_C2M_P: JA2.A7 R493.2 U88.4
GTR_DP0_C2M_N: C551.1 JA1.A56
GTR_DP0_C2M_P: C552.1 JA1.A55
GTR_DP0_M2C_N: C550.1 JA1.B58
GTR_DP0_M2C_P: C549.1 JA1.B57
GTR_DP1_C2M_N_NC: JA1.C56
GTR_DP1_C2M_P_NC: JA1.C55
GTR_DP1_M2C_N: C118.1 JA1.A48
GTR_DP1_M2C_P: C117.1 JA1.A47
GTR_DP2_C2M_C_N: C309.2 U43.48
GTR_DP2_C2M_C_P: C310.2 U43.47
GTR_DP2_C2M_N: C309.1 JA1.B54
GTR_DP2_C2M_P: C310.1 JA1.B53
GTR_DP2_M2C_C_N: C315.2 U43.51
GTR_DP2_M2C_C_P: C316.2 U43.50
GTR_DP2_M2C_N: C315.1 JA1.D58
GTR_DP2_M2C_P: C316.1 JA1.D57
GTR_DP3_C2M_C_N: C534.2 U84.48
GTR_DP3_C2M_C_P: C535.2 U84.47
GTR_DP3_C2M_N: C534.1 JA1.D50
GTR_DP3_C2M_P: C535.1 JA1.D49
GTR_DP3_M2C_C_N: C536.2 U84.51
GTR_DP3_M2C_C_P: C537.2 U84.50
GTR_DP3_M2C_N: C536.1 JA1.C52
GTR_DP3_M2C_P: C537.1 JA1.C51
GTR_REFCLK0_C2M_N: JA1.C48 R491.1 U87.5
GTR_REFCLK0_C2M_P: JA1.C47 R491.2 U87.4
GTR_REFCLK1_C2M_N: JA1.B50 R499.1 U86.5
GTR_REFCLK1_C2M_P: JA1.B49 R499.2 U86.4
GTR_REFCLK2_C2M_N: JA1.D54 R495.1 U89.5
GTR_REFCLK2_C2M_P: JA1.D53 R495.2 U89.4
GTR_REFCLK3_C2M_N_NC: JA1.A52
GTR_REFCLK3_C2M_P_NC: JA1.A51
HDA00_CC: JA1.D16 R347.2 U75.6 U76.6 U85.6
HDA01: JA1.D17 R348.2 U75.5 U76.5 U85.5
HDA02: JA1.D18 R298.1
HDA03: JA1.B16 R300.1
HDA04: JA1.B17 R302.1
HDA05: JA1.B18 R304.1
HDA06: JA1.C18 R299.1
HDA07: JA1.C19 R301.1
HDA08_CC: JA1.C20 R303.1
